# KiCad board Eclipse65.kicad_pcb (continued)
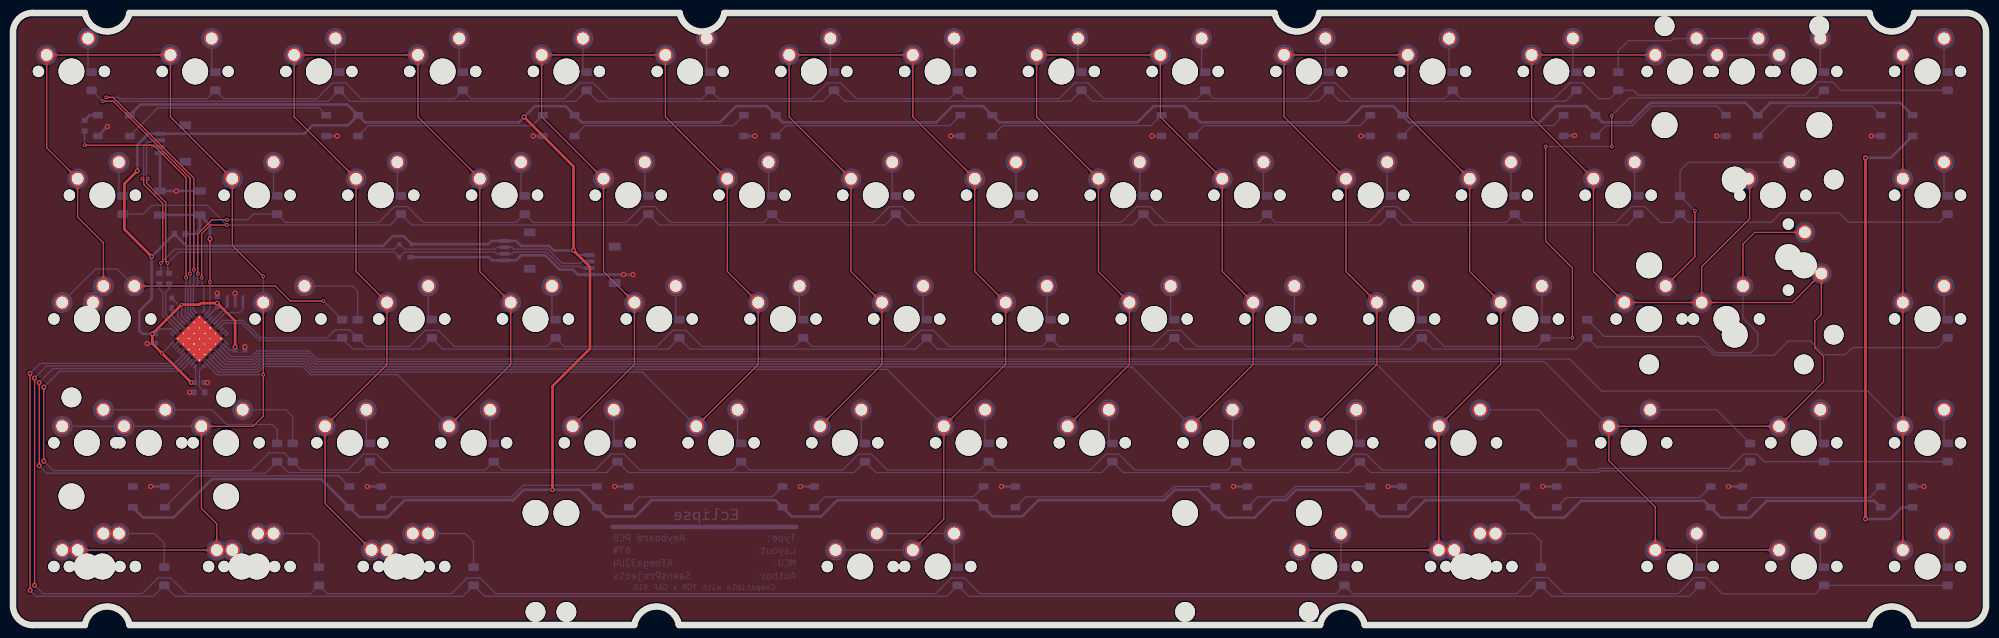
[diagram p0: board, top side]
## Copper pours and planes (outline as drawn; the poured copper is in the pictures) (continued)
Net-(D32-Pad2) on Bottom: 297.39,68.04 297.39,68.18 297.4,68.3 297.41,68.42 297.43,68.53 297.45,68.64 297.48,68.73 297.51,68.82 297.54,68.91 297.58,68.99 297.61,69.06 297.66,69.13 297.7,69.2 297.75,69.27 297.8,69.33 297.85,69.39 297.91,69.45 298.2,69.76 298.26,69.83 298.32,69.9 298.38,69.97 298.44,70.05 298.5,70.14 298.56,70.22 298.62,70.32 298.67,70.42 298.73,70.53 297.29,72.03 295.85,70.53 295.91,70.42 295.96,70.32 296.02,70.22 296.08,70.14 296.14,70.05 296.2,69.97 296.26,69.9 296.32,69.83 296.38,69.76 296.67,69.45 296.73,69.39 296.78,69.33 296.83,69.27 296.88,69.2 296.92,69.13 296.97,69.06 297,68.99 297.04,68.91 297.07,68.82 297.1,68.73 297.13,68.64 297.15,68.53 297.17,68.42 297.18,68.3 297.19,68.18 297.19,68.04
Net-(D33-Pad2) on Top: 21.07,52.28 20.97,52.28 20.88,52.29 20.79,52.3 20.71,52.31 20.63,52.32 20.56,52.34 20.49,52.36 20.42,52.39 20.37,52.41 20.31,52.44 20.26,52.47 20.2,52.51 20.16,52.54 20.11,52.58 19.68,52.96 19.62,53 19.57,53.05 19.5,53.09 19.44,53.13 19.36,53.18 19.29,53.22 19.21,53.26 18.08,52.18 19.21,51.1 19.29,51.14 19.36,51.18 19.44,51.23 19.5,51.27 19.57,51.31 19.62,51.36 19.68,51.4 20.11,51.78 20.16,51.82 20.2,51.85 20.26,51.89 20.31,51.92 20.37,51.95 20.42,51.97 20.49,52 20.56,52.02 20.63,52.04 20.71,52.05 20.79,52.06 20.88,52.07 20.97,52.08 21.07,52.08
Net-(D33-Pad2) on Bottom: 16.36,54.36 16.45,54.27 16.54,54.17 16.61,54.08 16.68,53.99 16.74,53.9 16.79,53.81 16.83,53.73 16.87,53.65 16.9,53.56 16.92,53.48 16.94,53.4 16.96,53.32 16.97,53.24 16.98,53.16 16.98,53.08 16.99,53 17,52.58 17.01,52.49 17.01,52.39 17.02,52.3 17.04,52.2 17.05,52.1 17.08,51.99 17.1,51.89 17.13,51.77 17.17,51.65 19.25,51.61 19.21,53.69 19.09,53.73 18.98,53.76 18.87,53.79 18.76,53.81 18.66,53.83 18.56,53.84 18.47,53.85 18.38,53.86 18.29,53.86 17.86,53.87 17.78,53.88 17.7,53.89 17.62,53.89 17.54,53.91 17.46,53.92 17.38,53.94 17.3,53.97 17.22,54 17.13,54.03 17.05,54.08 16.96,54.13 16.88,54.19 16.79,54.25 16.69,54.33 16.6,54.41 16.5,54.51
Net-(D33-Pad2) on Bottom: 16.92,53.8 16.99,53.73 17.06,53.65 17.11,53.59 17.16,53.52 17.21,53.45 17.24,53.39 17.28,53.33 17.31,53.26 17.33,53.2 17.35,53.14 17.36,53.08 17.38,53.02 17.39,52.96 17.39,52.91 17.43,52.34 17.44,52.26 17.45,52.19 17.46,52.12 17.48,52.04 17.5,51.96 17.52,51.87 17.55,51.79 19.11,51.76 19.08,53.31 18.99,53.34 18.91,53.37 18.83,53.39 18.75,53.4 18.67,53.42 18.6,53.43 18.53,53.43 17.96,53.47 17.9,53.48 17.84,53.49 17.78,53.5 17.72,53.52 17.66,53.53 17.6,53.56 17.54,53.59 17.47,53.62 17.41,53.66 17.35,53.7 17.28,53.75 17.21,53.81 17.14,53.87 17.06,53.94
Net-(D33-Pad2) on Bottom: 9.19,51.4 9.12,51.33 9.05,51.27 8.98,51.21 8.91,51.16 8.84,51.12 8.78,51.08 8.72,51.05 8.66,51.02 8.59,50.99 8.53,50.98 8.47,50.96 8.42,50.95 8.36,50.94 8.3,50.93 7.73,50.89 7.66,50.89 7.58,50.88 7.51,50.86 7.43,50.85 7.35,50.83 7.26,50.8 7.18,50.77 7.15,49.22 8.7,49.25 8.73,49.33 8.76,49.42 8.78,49.5 8.79,49.58 8.81,49.65 8.82,49.72 8.82,49.8 8.86,50.37 8.87,50.42 8.88,50.48 8.89,50.54 8.91,50.6 8.93,50.66 8.95,50.72 8.98,50.79 9.01,50.85 9.05,50.91 9.09,50.98 9.14,51.05 9.2,51.11 9.26,51.19 9.33,51.26
Net-(D33-Pad2) on Bottom: 9.76,51.97 9.66,51.87 9.56,51.79 9.47,51.71 9.38,51.65 9.29,51.59 9.2,51.54 9.12,51.49 9.04,51.46 8.96,51.43 8.87,51.4 8.79,51.38 8.71,51.37 8.63,51.35 8.55,51.35 8.47,51.34 8.39,51.33 7.97,51.32 7.88,51.32 7.79,51.31 7.69,51.3 7.59,51.29 7.49,51.27 7.39,51.25 7.28,51.22 7.16,51.19 7.05,51.15 7.01,49.07 9.08,49.11 9.12,49.23 9.15,49.35 9.18,49.45 9.2,49.56 9.22,49.66 9.23,49.76 9.24,49.85 9.25,49.95 9.25,50.04 9.27,50.46 9.27,50.54 9.28,50.62 9.29,50.7 9.3,50.78 9.31,50.86 9.33,50.94 9.36,51.02 9.39,51.11 9.43,51.19 9.47,51.27 9.52,51.36 9.58,51.45 9.64,51.54 9.72,51.63 9.8,51.73 9.9,51.82
Net-(D33-Pad2) on Bottom: 49.76,47.77 50.11,46.8 50.88,46.79 50.87,47.57 49.9,47.91
Net-(D34-Pad2) on Bottom: 52.95,48.19 52.51,47.26 53.05,46.7 53.59,47.26 53.15,48.19
Net-(D34-Pad2) on Bottom: 48.07,52.28 47.93,52.28 47.8,52.29 47.68,52.3 47.57,52.32 47.47,52.34 47.37,52.37 47.28,52.4 47.2,52.43 47.12,52.47 47.05,52.5 46.97,52.55 46.91,52.59 46.84,52.64 46.78,52.69 46.72,52.74 46.66,52.8 46.35,53.09 46.28,53.15 46.21,53.21 46.14,53.27 46.06,53.33 45.97,53.39 45.88,53.45 45.79,53.51 45.68,53.56 45.57,53.62 44.08,52.18 45.57,50.74 45.68,50.8 45.79,50.85 45.88,50.91 45.97,50.97 46.06,51.03 46.14,51.09 46.21,51.15 46.28,51.21 46.35,51.27 46.66,51.56 46.72,51.62 46.78,51.67 46.84,51.72 46.91,51.77 46.97,51.81 47.05,51.86 47.12,51.89 47.2,51.93 47.28,51.96 47.37,51.99 47.47,52.02 47.57,52.04 47.68,52.06 47.8,52.07 47.93,52.08 48.07,52.08
Net-(D34-Pad2) on Bottom: 47.27,52.28 47.17,52.28 47.07,52.29 46.98,52.3 46.9,52.31 46.82,52.32 46.75,52.34 46.68,52.36 46.62,52.39 46.56,52.41 46.5,52.44 46.45,52.47 46.4,52.51 46.35,52.54 46.3,52.58 45.87,52.96 45.82,53 45.76,53.05 45.7,53.09 45.63,53.13 45.56,53.18 45.48,53.22 45.4,53.26 44.28,52.18 45.4,51.1 45.48,51.14 45.56,51.18 45.63,51.23 45.7,51.27 45.76,51.31 45.82,51.36 45.87,51.4 46.3,51.78 46.35,51.82 46.4,51.85 46.45,51.89 46.5,51.92 46.56,51.95 46.62,51.97 46.68,52 46.75,52.02 46.82,52.04 46.9,52.05 46.98,52.06 47.07,52.07 47.17,52.08 47.27,52.08
Net-(D35-Pad2) on Bottom: 64.03,48.99 64.03,49.13 64.04,49.25 64.05,49.37 64.07,49.48 64.09,49.59 64.11,49.68 64.14,49.77 64.18,49.86 64.21,49.94 64.25,50.01 64.3,50.08 64.34,50.15 64.39,50.22 64.44,50.28 64.49,50.34 64.54,50.4 64.84,50.71 64.9,50.78 64.96,50.85 65.02,50.92 65.08,51 65.14,51.09 65.2,51.17 65.25,51.27 65.31,51.37 65.37,51.48 63.93,52.98 62.49,51.48 62.54,51.37 62.6,51.27 62.66,51.17 62.72,51.09 62.78,51 62.84,50.92 62.9,50.85 62.96,50.78 63.02,50.71 63.31,50.4 63.36,50.34 63.42,50.28 63.47,50.22 63.51,50.15 63.56,50.08 63.6,50.01 63.64,49.94 63.68,49.86 63.71,49.77 63.74,49.68 63.77,49.59 63.79,49.48 63.8,49.37 63.82,49.25 63.82,49.13 63.83,48.99
Net-(D35-Pad2) on Bottom: 64.03,49.79 64.03,49.89 64.03,49.99 64.04,50.08 64.06,50.16 64.07,50.24 64.09,50.31 64.11,50.38 64.14,50.44 64.16,50.5 64.19,50.55 64.22,50.61 64.25,50.66 64.29,50.71 64.33,50.76 64.7,51.18 64.75,51.24 64.79,51.3 64.84,51.36 64.88,51.43 64.92,51.5 64.97,51.58 65.01,51.66 63.93,52.78 62.85,51.66 62.89,51.58 62.93,51.5 62.97,51.43 63.02,51.36 63.06,51.3 63.11,51.24 63.15,51.18 63.53,50.76 63.57,50.71 63.6,50.66 63.63,50.61 63.66,50.55 63.69,50.5 63.72,50.44 63.74,50.38 63.76,50.31 63.78,50.24 63.8,50.16 63.81,50.08 63.82,49.99 63.83,49.89 63.83,49.79
Net-(D36-Pad2) on Bottom: 83.08,48.99 83.08,49.13 83.09,49.25 83.1,49.37 83.12,49.48 83.14,49.59 83.16,49.68 83.19,49.77 83.23,49.86 83.26,49.94 83.3,50.01 83.35,50.08 83.39,50.15 83.44,50.22 83.49,50.28 83.54,50.34 83.59,50.4 83.89,50.71 83.95,50.78 84.01,50.85 84.07,50.92 84.13,51 84.19,51.09 84.25,51.17 84.3,51.27 84.36,51.37 84.42,51.48 82.98,52.98 81.54,51.48 81.59,51.37 81.65,51.27 81.71,51.17 81.77,51.09 81.83,51 81.89,50.92 81.95,50.85 82.01,50.78 82.07,50.71 82.36,50.4 82.41,50.34 82.47,50.28 82.52,50.22 82.56,50.15 82.61,50.08 82.65,50.01 82.69,49.94 82.73,49.86 82.76,49.77 82.79,49.68 82.82,49.59 82.84,49.48 82.85,49.37 82.87,49.25 82.87,49.13 82.88,48.99
Net-(D36-Pad2) on Bottom: 83.08,49.79 83.08,49.89 83.08,49.99 83.09,50.08 83.11,50.16 83.12,50.24 83.14,50.31 83.16,50.38 83.19,50.44 83.21,50.5 83.24,50.55 83.27,50.61 83.3,50.66 83.34,50.71 83.38,50.76 83.75,51.18 83.8,51.24 83.84,51.3 83.89,51.36 83.93,51.43 83.97,51.5 84.02,51.58 84.06,51.66 82.98,52.78 81.9,51.66 81.94,51.58 81.98,51.5 82.02,51.43 82.07,51.36 82.11,51.3 82.16,51.24 82.2,51.18 82.58,50.76 82.62,50.71 82.65,50.66 82.68,50.61 82.71,50.55 82.74,50.5 82.77,50.44 82.79,50.38 82.81,50.31 82.83,50.24 82.85,50.16 82.86,50.08 82.87,49.99 82.88,49.89 82.88,49.79
Net-(D37-Pad2) on Bottom: 102.13,48.99 102.13,49.13 102.14,49.25 102.15,49.37 102.17,49.48 102.19,49.59 102.21,49.68 102.24,49.77 102.28,49.86 102.31,49.94 102.35,50.01 102.4,50.08 102.44,50.15 102.49,50.22 102.54,50.28 102.59,50.34 102.64,50.4 102.94,50.71 103,50.78 103.06,50.85 103.12,50.92 103.18,51 103.24,51.09 103.3,51.17 103.35,51.27 103.41,51.37 103.47,51.48 102.03,52.98 100.59,51.48 100.64,51.37 100.7,51.27 100.76,51.17 100.82,51.09 100.88,51 100.94,50.92 101,50.85 101.06,50.78 101.12,50.71 101.41,50.4 101.46,50.34 101.52,50.28 101.57,50.22 101.61,50.15 101.66,50.08 101.7,50.01 101.74,49.94 101.78,49.86 101.81,49.77 101.84,49.68 101.87,49.59 101.89,49.48 101.9,49.37 101.92,49.25 101.92,49.13 101.93,48.99
Net-(D37-Pad2) on Bottom: 102.13,49.79 102.13,49.89 102.13,49.99 102.14,50.08 102.16,50.16 102.17,50.24 102.19,50.31 102.21,50.38 102.24,50.44 102.26,50.5 102.29,50.55 102.32,50.61 102.35,50.66 102.39,50.71 102.43,50.76 102.8,51.18 102.85,51.24 102.89,51.3 102.94,51.36 102.98,51.43 103.02,51.5 103.07,51.58 103.11,51.66 102.03,52.78 100.95,51.66 100.99,51.58 101.03,51.5 101.07,51.43 101.12,51.36 101.16,51.3 101.21,51.24 101.25,51.18 101.63,50.76 101.67,50.71 101.7,50.66 101.73,50.61 101.76,50.55 101.79,50.5 101.82,50.44 101.84,50.38 101.86,50.31 101.88,50.24 101.9,50.16 101.91,50.08 101.92,49.99 101.93,49.89 101.93,49.79
Net-(D38-Pad2) on Bottom: 121.18,48.99 121.18,49.13 121.19,49.25 121.2,49.37 121.22,49.48 121.24,49.59 121.26,49.68 121.29,49.77 121.33,49.86 121.36,49.94 121.4,50.01 121.45,50.08 121.49,50.15 121.54,50.22 121.59,50.28 121.64,50.34 121.69,50.4 121.99,50.71 122.05,50.78 122.11,50.85 122.17,50.92 122.23,51 122.29,51.09 122.35,51.17 122.4,51.27 122.46,51.37 122.52,51.48 121.08,52.98 119.64,51.48 119.69,51.37 119.75,51.27 119.81,51.17 119.87,51.09 119.93,51 119.99,50.92 120.05,50.85 120.11,50.78 120.17,50.71 120.46,50.4 120.51,50.34 120.57,50.28 120.62,50.22 120.66,50.15 120.71,50.08 120.75,50.01 120.79,49.94 120.83,49.86 120.86,49.77 120.89,49.68 120.92,49.59 120.94,49.48 120.95,49.37 120.97,49.25 120.97,49.13 120.98,48.99
Net-(D38-Pad2) on Bottom: 121.18,49.79 121.18,49.89 121.18,49.99 121.19,50.08 121.21,50.16 121.22,50.24 121.24,50.31 121.26,50.38 121.29,50.44 121.31,50.5 121.34,50.55 121.37,50.61 121.4,50.66 121.44,50.71 121.48,50.76 121.85,51.18 121.9,51.24 121.94,51.3 121.99,51.36 122.03,51.43 122.07,51.5 122.12,51.58 122.16,51.66 121.08,52.78 120,51.66 120.04,51.58 120.08,51.5 120.12,51.43 120.17,51.36 120.21,51.3 120.26,51.24 120.3,51.18 120.68,50.76 120.72,50.71 120.75,50.66 120.78,50.61 120.81,50.55 120.84,50.5 120.87,50.44 120.89,50.38 120.91,50.31 120.93,50.24 120.95,50.16 120.96,50.08 120.97,49.99 120.98,49.89 120.98,49.79
Net-(D39-Pad2) on Bottom: 140.23,48.99 140.23,49.13 140.24,49.25 140.25,49.37 140.27,49.48 140.29,49.59 140.31,49.68 140.34,49.77 140.38,49.86 140.41,49.94 140.45,50.01 140.5,50.08 140.54,50.15 140.59,50.22 140.64,50.28 140.69,50.34 140.74,50.4 141.04,50.71 141.1,50.78 141.16,50.85 141.22,50.92 141.28,51 141.34,51.09 141.4,51.17 141.45,51.27 141.51,51.37 141.57,51.48 140.13,52.98 138.69,51.48 138.74,51.37 138.8,51.27 138.86,51.17 138.92,51.09 138.98,51 139.04,50.92 139.1,50.85 139.16,50.78 139.22,50.71 139.51,50.4 139.56,50.34 139.62,50.28 139.67,50.22 139.71,50.15 139.76,50.08 139.8,50.01 139.84,49.94 139.88,49.86 139.91,49.77 139.94,49.68 139.97,49.59 139.99,49.48 140,49.37 140.02,49.25 140.02,49.13 140.03,48.99
Net-(D39-Pad2) on Bottom: 140.23,49.79 140.23,49.89 140.23,49.99 140.24,50.08 140.26,50.16 140.27,50.24 140.29,50.31 140.31,50.38 140.34,50.44 140.36,50.5 140.39,50.55 140.42,50.61 140.45,50.66 140.49,50.71 140.53,50.76 140.9,51.18 140.95,51.24 140.99,51.3 141.04,51.36 141.08,51.43 141.12,51.5 141.17,51.58 141.21,51.66 140.13,52.78 139.05,51.66 139.09,51.58 139.13,51.5 139.17,51.43 139.22,51.36 139.26,51.3 139.31,51.24 139.35,51.18 139.73,50.76 139.77,50.71 139.8,50.66 139.83,50.61 139.86,50.55 139.89,50.5 139.92,50.44 139.94,50.38 139.96,50.31 139.98,50.24 140,50.16 140.01,50.08 140.02,49.99 140.03,49.89 140.03,49.79
Net-(D40-Pad2) on Bottom: 159.28,48.99 159.28,49.13 159.29,49.25 159.3,49.37 159.32,49.48 159.34,49.59 159.36,49.68 159.39,49.77 159.43,49.86 159.46,49.94 159.5,50.01 159.55,50.08 159.59,50.15 159.64,50.22 159.69,50.28 159.74,50.34 159.79,50.4 160.09,50.71 160.15,50.78 160.21,50.85 160.27,50.92 160.33,51 160.39,51.09 160.45,51.17 160.5,51.27 160.56,51.37 160.62,51.48 159.18,52.98 157.74,51.48 157.79,51.37 157.85,51.27 157.91,51.17 157.97,51.09 158.03,51 158.09,50.92 158.15,50.85 158.21,50.78 158.27,50.71 158.56,50.4 158.61,50.34 158.67,50.28 158.72,50.22 158.76,50.15 158.81,50.08 158.85,50.01 158.89,49.94 158.93,49.86 158.96,49.77 158.99,49.68 159.02,49.59 159.04,49.48 159.05,49.37 159.07,49.25 159.07,49.13 159.08,48.99
Net-(D40-Pad2) on Bottom: 159.28,49.79 159.28,49.89 159.28,49.99 159.29,50.08 159.31,50.16 159.32,50.24 159.34,50.31 159.36,50.38 159.39,50.44 159.41,50.5 159.44,50.55 159.47,50.61 159.5,50.66 159.54,50.71 159.58,50.76 159.95,51.18 160,51.24 160.04,51.3 160.09,51.36 160.13,51.43 160.17,51.5 160.22,51.58 160.26,51.66 159.18,52.78 158.1,51.66 158.14,51.58 158.18,51.5 158.22,51.43 158.27,51.36 158.31,51.3 158.36,51.24 158.4,51.18 158.78,50.76 158.82,50.71 158.85,50.66 158.88,50.61 158.91,50.55 158.94,50.5 158.97,50.44 158.99,50.38 159.01,50.31 159.03,50.24 159.05,50.16 159.06,50.08 159.07,49.99 159.08,49.89 159.08,49.79
Net-(D41-Pad2) on Bottom: 178.33,48.99 178.33,49.13 178.34,49.25 178.35,49.37 178.37,49.48 178.39,49.59 178.41,49.68 178.44,49.77 178.48,49.86 178.51,49.94 178.55,50.01 178.6,50.08 178.64,50.15 178.69,50.22 178.74,50.28 178.79,50.34 178.84,50.4 179.14,50.71 179.2,50.78 179.26,50.85 179.32,50.92 179.38,51 179.44,51.09 179.5,51.17 179.55,51.27 179.61,51.37 179.67,51.48 178.23,52.98 176.79,51.48 176.84,51.37 176.9,51.27 176.96,51.17 177.02,51.09 177.08,51 177.14,50.92 177.2,50.85 177.26,50.78 177.32,50.71 177.61,50.4 177.66,50.34 177.72,50.28 177.77,50.22 177.81,50.15 177.86,50.08 177.9,50.01 177.94,49.94 177.98,49.86 178.01,49.77 178.04,49.68 178.07,49.59 178.09,49.48 178.1,49.37 178.12,49.25 178.12,49.13 178.13,48.99
Net-(D41-Pad2) on Bottom: 178.33,49.79 178.33,49.89 178.33,49.99 178.34,50.08 178.36,50.16 178.37,50.24 178.39,50.31 178.41,50.38 178.44,50.44 178.46,50.5 178.49,50.55 178.52,50.61 178.55,50.66 178.59,50.71 178.63,50.76 179,51.18 179.05,51.24 179.09,51.3 179.14,51.36 179.18,51.43 179.22,51.5 179.27,51.58 179.31,51.66 178.23,52.78 177.15,51.66 177.19,51.58 177.23,51.5 177.27,51.43 177.32,51.36 177.36,51.3 177.41,51.24 177.45,51.18 177.83,50.76 177.87,50.71 177.9,50.66 177.93,50.61 177.96,50.55 177.99,50.5 178.02,50.44 178.04,50.38 178.06,50.31 178.08,50.24 178.1,50.16 178.11,50.08 178.12,49.99 178.13,49.89 178.13,49.79
Net-(D42-Pad2) on Bottom: 197.38,48.99 197.38,49.13 197.39,49.25 197.4,49.37 197.42,49.48 197.44,49.59 197.46,49.68 197.49,49.77 197.53,49.86 197.56,49.94 197.6,50.01 197.65,50.08 197.69,50.15 197.74,50.22 197.79,50.28 197.84,50.34 197.89,50.4 198.19,50.71 198.25,50.78 198.31,50.85 198.37,50.92 198.43,51 198.49,51.09 198.55,51.17 198.6,51.27 198.66,51.37 198.72,51.48 197.28,52.98 195.84,51.48 195.89,51.37 195.95,51.27 196.01,51.17 196.07,51.09 196.13,51 196.19,50.92 196.25,50.85 196.31,50.78 196.37,50.71 196.66,50.4 196.71,50.34 196.77,50.28 196.82,50.22 196.86,50.15 196.91,50.08 196.95,50.01 196.99,49.94 197.03,49.86 197.06,49.77 197.09,49.68 197.12,49.59 197.14,49.48 197.15,49.37 197.17,49.25 197.17,49.13 197.18,48.99
Net-(D42-Pad2) on Bottom: 197.38,49.79 197.38,49.89 197.38,49.99 197.39,50.08 197.41,50.16 197.42,50.24 197.44,50.31 197.46,50.38 197.49,50.44 197.51,50.5 197.54,50.55 197.57,50.61 197.6,50.66 197.64,50.71 197.68,50.76 198.05,51.18 198.1,51.24 198.14,51.3 198.19,51.36 198.23,51.43 198.27,51.5 198.32,51.58 198.36,51.66 197.28,52.78 196.2,51.66 196.24,51.58 196.28,51.5 196.32,51.43 196.37,51.36 196.41,51.3 196.46,51.24 196.5,51.18 196.88,50.76 196.92,50.71 196.95,50.66 196.98,50.61 197.01,50.55 197.04,50.5 197.07,50.44 197.09,50.38 197.11,50.31 197.13,50.24 197.15,50.16 197.16,50.08 197.17,49.99 197.18,49.89 197.18,49.79
Net-(D43-Pad2) on Bottom: 216.43,48.99 216.43,49.13 216.44,49.25 216.45,49.37 216.47,49.48 216.49,49.59 216.51,49.68 216.54,49.77 216.58,49.86 216.61,49.94 216.65,50.01 216.7,50.08 216.74,50.15 216.79,50.22 216.84,50.28 216.89,50.34 216.94,50.4 217.24,50.71 217.3,50.78 217.36,50.85 217.42,50.92 217.48,51 217.54,51.09 217.6,51.17 217.65,51.27 217.71,51.37 217.77,51.48 216.33,52.98 214.89,51.48 214.94,51.37 215,51.27 215.06,51.17 215.12,51.09 215.18,51 215.24,50.92 215.3,50.85 215.36,50.78 215.42,50.71 215.71,50.4 215.76,50.34 215.82,50.28 215.87,50.22 215.91,50.15 215.96,50.08 216,50.01 216.04,49.94 216.08,49.86 216.11,49.77 216.14,49.68 216.17,49.59 216.19,49.48 216.2,49.37 216.22,49.25 216.22,49.13 216.23,48.99
Net-(D43-Pad2) on Bottom: 216.43,49.79 216.43,49.89 216.43,49.99 216.44,50.08 216.46,50.16 216.47,50.24 216.49,50.31 216.51,50.38 216.54,50.44 216.56,50.5 216.59,50.55 216.62,50.61 216.65,50.66 216.69,50.71 216.73,50.76 217.1,51.18 217.15,51.24 217.19,51.3 217.24,51.36 217.28,51.43 217.32,51.5 217.37,51.58 217.41,51.66 216.33,52.78 215.25,51.66 215.29,51.58 215.33,51.5 215.37,51.43 215.42,51.36 215.46,51.3 215.51,51.24 215.55,51.18 215.93,50.76 215.97,50.71 216,50.66 216.03,50.61 216.06,50.55 216.09,50.5 216.12,50.44 216.14,50.38 216.16,50.31 216.18,50.24 216.2,50.16 216.21,50.08 216.22,49.99 216.23,49.89 216.23,49.79
Net-(D44-Pad2) on Bottom: 235.48,48.99 235.48,49.13 235.49,49.25 235.5,49.37 235.52,49.48 235.54,49.59 235.56,49.68 235.59,49.77 235.63,49.86 235.66,49.94 235.7,50.01 235.75,50.08 235.79,50.15 235.84,50.22 235.89,50.28 235.94,50.34 235.99,50.4 236.29,50.71 236.35,50.78 236.41,50.85 236.47,50.92 236.53,51 236.59,51.09 236.65,51.17 236.7,51.27 236.76,51.37 236.82,51.48 235.38,52.98 233.94,51.48 233.99,51.37 234.05,51.27 234.11,51.17 234.17,51.09 234.23,51 234.29,50.92 234.35,50.85 234.41,50.78 234.47,50.71 234.76,50.4 234.81,50.34 234.87,50.28 234.92,50.22 234.96,50.15 235.01,50.08 235.05,50.01 235.09,49.94 235.13,49.86 235.16,49.77 235.19,49.68 235.22,49.59 235.24,49.48 235.25,49.37 235.27,49.25 235.27,49.13 235.28,48.99
Net-(D44-Pad2) on Bottom: 235.48,49.79 235.48,49.89 235.48,49.99 235.49,50.08 235.51,50.16 235.52,50.24 235.54,50.31 235.56,50.38 235.59,50.44 235.61,50.5 235.64,50.55 235.67,50.61 235.7,50.66 235.74,50.71 235.78,50.76 236.15,51.18 236.2,51.24 236.24,51.3 236.29,51.36 236.33,51.43 236.37,51.5 236.42,51.58 236.46,51.66 235.38,52.78 234.3,51.66 234.34,51.58 234.38,51.5 234.42,51.43 234.47,51.36 234.51,51.3 234.56,51.24 234.6,51.18 234.98,50.76 235.02,50.71 235.05,50.66 235.08,50.61 235.11,50.55 235.14,50.5 235.17,50.44 235.19,50.38 235.21,50.31 235.23,50.24 235.25,50.16 235.26,50.08 235.27,49.99 235.28,49.89 235.28,49.79
Net-(D45-Pad2) on Top: 273.47,60.34 273.57,60.33 273.67,60.33 273.75,60.32 273.84,60.31 273.91,60.29 273.99,60.27 274.05,60.25 274.12,60.23 274.18,60.2 274.23,60.17 274.29,60.14 274.34,60.11 274.39,60.07 274.43,60.04 274.86,59.66 274.92,59.61 274.98,59.57 275.04,59.53 275.11,59.48 275.18,59.44 275.25,59.4 275.34,59.36 276.46,60.44 275.34,61.52 275.25,61.47 275.18,61.43 275.11,61.39 275.04,61.34 274.98,61.3 274.92,61.26 274.86,61.21 274.43,60.83 274.39,60.8 274.34,60.76 274.29,60.73 274.23,60.7 274.18,60.67 274.12,60.64 274.05,60.62 273.99,60.6 273.91,60.58 273.84,60.56 273.75,60.55 273.67,60.54 273.57,60.54 273.47,60.54
Net-(D45-Pad2) on Top: 266.23,54.57 266.23,54.47 266.23,54.37 266.22,54.28 266.21,54.2 266.19,54.12 266.17,54.05 266.15,53.98 266.13,53.92 266.1,53.86 266.07,53.81 266.04,53.75 266.01,53.7 265.97,53.65 265.94,53.6 265.56,53.18 265.51,53.12 265.47,53.06 265.42,53 265.38,52.93 265.34,52.86 265.3,52.78 265.25,52.7 266.33,51.58 267.41,52.7 267.37,52.78 267.33,52.86 267.29,52.93 267.24,53 267.2,53.06 267.15,53.12 267.11,53.18 266.73,53.6 266.7,53.65 266.66,53.7 266.63,53.75 266.6,53.81 266.57,53.86 266.54,53.92 266.52,53.98 266.5,54.05 266.48,54.12 266.46,54.2 266.45,54.28 266.44,54.37 266.44,54.47 266.43,54.57
Net-(D45-Pad2) on Bottom: 266.43,49.79 266.44,49.89 266.44,49.99 266.45,50.08 266.46,50.16 266.48,50.24 266.5,50.31 266.52,50.38 266.54,50.44 266.57,50.5 266.6,50.55 266.63,50.61 266.66,50.66 266.7,50.71 266.73,50.76 267.11,51.18 267.15,51.24 267.2,51.3 267.24,51.36 267.29,51.43 267.33,51.5 267.37,51.58 267.41,51.66 266.33,52.78 265.25,51.66 265.3,51.58 265.34,51.5 265.38,51.43 265.42,51.36 265.47,51.3 265.51,51.24 265.56,51.18 265.94,50.76 265.97,50.71 266.01,50.66 266.04,50.61 266.07,50.55 266.1,50.5 266.13,50.44 266.15,50.38 266.17,50.31 266.19,50.24 266.21,50.16 266.22,50.08 266.23,49.99 266.23,49.89 266.23,49.79
Net-(D45-Pad2) on Bottom: 266.43,48.99 266.44,49.13 266.44,49.25 266.46,49.37 266.47,49.48 266.49,49.59 266.52,49.68 266.55,49.77 266.58,49.86 266.62,49.94 266.66,50.01 266.7,50.08 266.75,50.15 266.79,50.22 266.84,50.28 266.9,50.34 266.95,50.4 267.24,50.71 267.3,50.78 267.36,50.85 267.42,50.92 267.48,51 267.54,51.09 267.6,51.17 267.66,51.27 267.72,51.37 267.77,51.48 266.33,52.98 264.89,51.48 264.95,51.37 265.01,51.27 265.07,51.17 265.12,51.09 265.18,51 265.24,50.92 265.31,50.85 265.37,50.78 265.43,50.71 265.72,50.4 265.77,50.34 265.82,50.28 265.87,50.22 265.92,50.15 265.97,50.08 266.01,50.01 266.05,49.94 266.08,49.86 266.12,49.77 266.15,49.68 266.17,49.59 266.19,49.48 266.21,49.37 266.22,49.25 266.23,49.13 266.23,48.99
Net-(D45-Pad2) on Bottom: 243.27,46.23 242.93,47.2 242.15,47.21 242.17,46.43 243.13,46.09
Net-(D46-Pad2) on Bottom: 297.39,49.79 297.39,49.89 297.4,49.99 297.41,50.08 297.42,50.16 297.43,50.24 297.45,50.31 297.47,50.38 297.5,50.44 297.52,50.5 297.55,50.55 297.58,50.61 297.62,50.66 297.65,50.71 297.69,50.76 298.07,51.18 298.11,51.24 298.16,51.3 298.2,51.36 298.24,51.43 298.29,51.5 298.33,51.58 298.37,51.66 297.29,52.78 296.21,51.66 296.25,51.58 296.29,51.5 296.34,51.43 296.38,51.36 296.42,51.3 296.47,51.24 296.51,51.18 296.89,50.76 296.93,50.71 296.96,50.66 297,50.61 297.03,50.55 297.06,50.5 297.08,50.44 297.11,50.38 297.13,50.31 297.15,50.24 297.16,50.16 297.17,50.08 297.18,49.99 297.19,49.89 297.19,49.79
Net-(D46-Pad2) on Bottom: 297.39,48.99 297.39,49.13 297.4,49.25 297.41,49.37 297.43,49.48 297.45,49.59 297.48,49.68 297.51,49.77 297.54,49.86 297.58,49.94 297.61,50.01 297.66,50.08 297.7,50.15 297.75,50.22 297.8,50.28 297.85,50.34 297.91,50.4 298.2,50.71 298.26,50.78 298.32,50.85 298.38,50.92 298.44,51 298.5,51.09 298.56,51.17 298.62,51.27 298.67,51.37 298.73,51.48 297.29,52.98 295.85,51.48 295.91,51.37 295.96,51.27 296.02,51.17 296.08,51.09 296.14,51 296.2,50.92 296.26,50.85 296.32,50.78 296.38,50.71 296.67,50.4 296.73,50.34 296.78,50.28 296.83,50.22 296.88,50.15 296.92,50.08 296.97,50.01 297,49.94 297.04,49.86 297.07,49.77 297.1,49.68 297.13,49.59 297.15,49.48 297.17,49.37 297.18,49.25 297.19,49.13 297.19,48.99
Net-(D47-Pad2) on Bottom: 297.39,30.74 297.39,30.84 297.4,30.94 297.41,31.03 297.42,31.11 297.43,31.19 297.45,31.26 297.47,31.33 297.5,31.39 297.52,31.45 297.55,31.5 297.58,31.56 297.62,31.61 297.65,31.66 297.69,31.71 298.07,32.13 298.11,32.19 298.16,32.25 298.2,32.31 298.24,32.38 298.29,32.45 298.33,32.53 298.37,32.61 297.29,33.73 296.21,32.61 296.25,32.53 296.29,32.45 296.34,32.38 296.38,32.31 296.42,32.25 296.47,32.19 296.51,32.13 296.89,31.71 296.93,31.66 296.96,31.61 297,31.56 297.03,31.5 297.06,31.45 297.08,31.39 297.11,31.33 297.13,31.26 297.15,31.19 297.16,31.11 297.17,31.03 297.18,30.94 297.19,30.84 297.19,30.74
Net-(D47-Pad2) on Bottom: 297.39,29.94 297.39,30.08 297.4,30.2 297.41,30.32 297.43,30.43 297.45,30.54 297.48,30.63 297.51,30.72 297.54,30.81 297.58,30.89 297.61,30.96 297.66,31.03 297.7,31.1 297.75,31.17 297.8,31.23 297.85,31.29 297.91,31.35 298.2,31.66 298.26,31.73 298.32,31.8 298.38,31.87 298.44,31.95 298.5,32.04 298.56,32.12 298.62,32.22 298.67,32.32 298.73,32.43 297.29,33.93 295.85,32.43 295.91,32.32 295.96,32.22 296.02,32.12 296.08,32.04 296.14,31.95 296.2,31.87 296.26,31.8 296.32,31.73 296.38,31.66 296.67,31.35 296.73,31.29 296.78,31.23 296.83,31.17 296.88,31.1 296.92,31.03 296.97,30.96 297,30.89 297.04,30.81 297.07,30.72 297.1,30.63 297.13,30.54 297.15,30.43 297.17,30.32 297.18,30.2 297.19,30.08 297.19,29.94